# KiCad board FetsAndCrosses.kicad_pcb (continued)
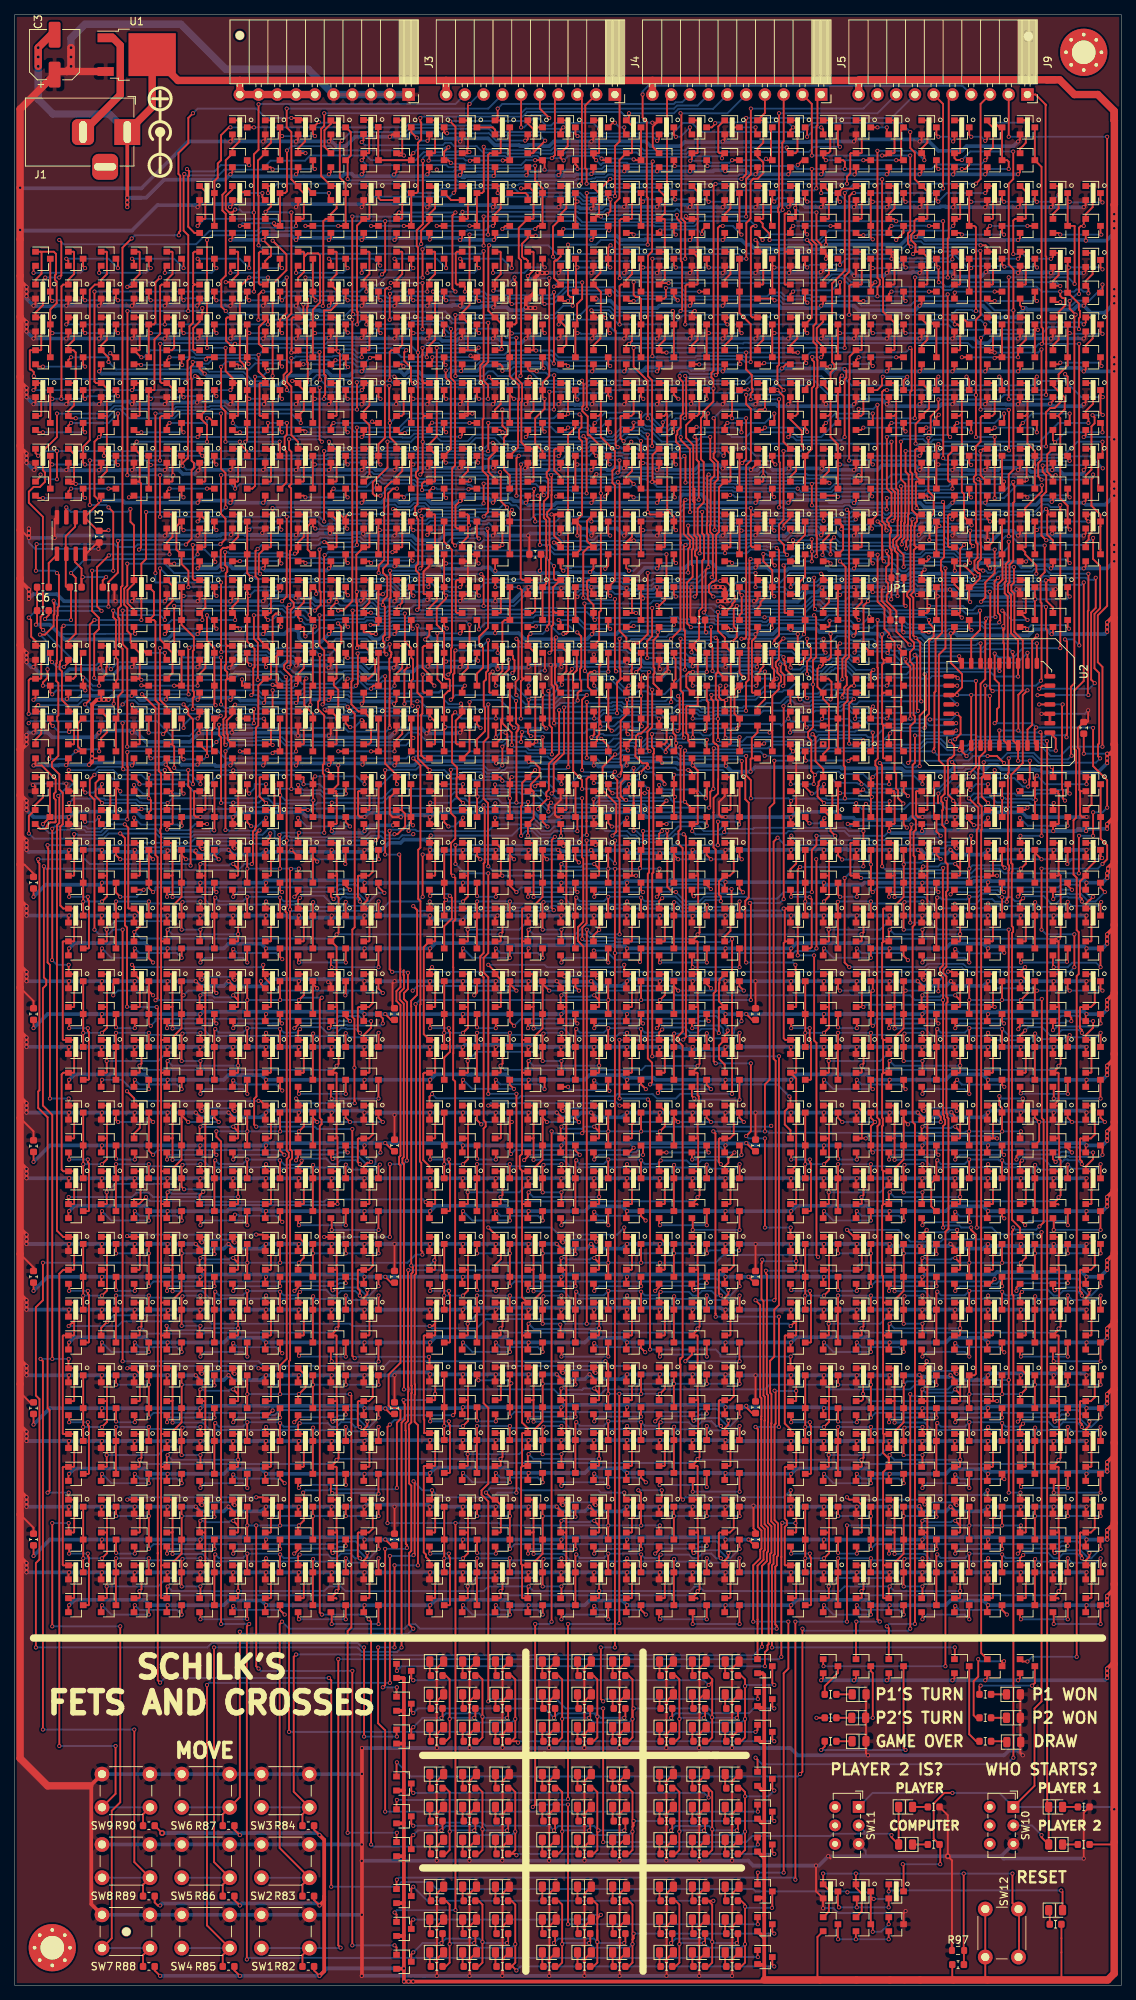
[diagram p0: board, top side]
## Routing (per net, layer and track width the routed paths; a pad name or vN(x,y) marks a point on that pad's centre or on a via; arc(x,y) is an arc through that point) (continued)
  Bottom w0.25: v1(80.59,223.61) 80.2,223.61 80.11,223.52 76.69,223.52 76.6,223.61 v1(76.22,223.61) ; v1(73.03,229.9) 73.59,230.47 v1(76.85,230.47)
/StateMaschine/sheet5F24372D/B: length 36.6
  Top w0.25: Q711.3 Q712.3 ; Q702.1 79.08,234.63 79.31,234.39 79.31,231.77 78.38,230.83 Q701.1 79.38,229.19 79.38,226.3 v1(80.01,225.67) ; Q714.3 98.16,223.9 v1(98.44,223.61) ; 93.71,223.79 93.89,223.61 v1(94,223.61)
  Bottom w0.25: v1(98.44,223.61) v1(94,223.61) 81.47,223.61 80.25,224.84 80.25,225.43 v1(80.01,225.67)
/StateMaschine/sheet5F24372E/B: length 102
  Top w0.25: Q656.3 Q655.3 138.16,224.14 138.24,224.06 v1(138.56,224.06) ; Q713.1 96.16,221.94 97.09,222.88 97.09,225.5 96.86,225.74 Q714.1 96.16,225.15 v1(96.52,224.79) ; 92.41,239.07 92.49,239.15 92.49,242.79 91.76,243.52 Q666.1 ; 92.41,239.07 92.49,239 92.49,234.71 92.41,234.63 Q696.1 91.76,234.63 92.49,233.9 92.49,230.26 92.41,230.19 Q695.1 91.01,230.19 90.84,230.01 90.84,225.21 90.81,225.18 v1(90.81,224.79) ; 92.41,239.07 Q665.1 91.01,239.07 90.89,239.19 v1(90.89,239.43) ; Q706.1 78.38,243.32 79.15,242.54 79.15,239.85 Q705.1 78.7,239.39 v1(79.38,239.39)
  Bottom w0.25: v1(138.56,224.06) 127.16,224.06 126.43,224.79 v1(96.52,224.79) v1(90.81,224.79) ; v1(79.38,239.39) 79.69,239.08 86.95,239.08 87.04,238.98 90.45,238.98 v1(90.89,239.43)
/UI.sch/UI_BoardLEDCELL_0/O: length 28
  Top w0.25: R2.2 57.94,36.35 v1(57.79,36.19) ; v1(66.67,36.19) 66.83,36.35 R8.2 ; R4.2 62.82,41.91 63.35,41.38 63.35,33.55 62.82,33.02 R6.2 ; v1(53.98,34.92) 53.7,34.65 Q1321.3
  Bottom w0.25: v1(66.67,36.19) 63.5,36.19 v1(63.35,36.35) 62.9,36.8 58.39,36.8 v1(57.79,36.19) 55.25,36.19 v1(53.98,34.92)
/UI.sch/UI_BoardLEDCELL_0/X: length 68.7
  Top w0.25: R5.2 62.38,36.35 v1(62.23,36.19) ; R7.2 67.27,41.91 67.79,41.38 v1(67.79,36.04) 67.79,33.55 67.27,33.02 R9.2 67.97,33.02 v1(68.16,32.83) ; R3.2 58.38,33.02 58.9,33.55 58.9,41.38 58.38,41.91 R1.2 ; v1(102.87,33.02) 102.6,33.29 Q1322.3
  Bottom w0.25: v1(58.9,36.04) 59.06,36.19 v1(62.23,36.19) 62.87,35.56 67.31,35.56 v1(67.79,36.04) ; v1(102.87,33.02) 68.35,33.02 v1(68.16,32.83)
/UI.sch/UI_BoardLEDCELL_1/O: length 44.7
  Top w0.25: v1(82.55,36.19) 82.7,36.35 R17.2 ; R15.2 78.38,33.02 78.9,33.55 78.9,41.38 78.38,41.91 R13.2 ; R11.2 73.18,36.35 v1(73.03,36.19) ; v1(53.98,36.83) 53.7,37.1 Q1323.3
  Bottom w0.25: 78.77,36.8 73.63,36.8 v1(73.03,36.19) 71.76,37.46 54.61,37.46 v1(53.98,36.83) ; 78.77,36.8 78.63,36.65 78.63,36.62 v1(78.9,36.35) ; 78.77,36.8 79.38,36.19 v1(82.55,36.19)
/UI.sch/UI_BoardLEDCELL_1/X: length 54.2
  Top w0.25: R16.2 83.14,41.91 83.67,41.38 v1(83.67,36.04) ; v1(83.67,36.04) 83.67,33.55 83.14,33.02 R18.2 ; v1(83.67,36.04) 83.67,37.31 v1(83.82,37.46) ; R12.2 73.62,33.02 74.14,33.55 74.14,41.38 73.62,41.91 R10.2 ; v1(77.79,36.19) 77.94,36.35 R14.2 ; Q1324.3 102.6,37.73 v1(102.87,37.46)
  Bottom w0.25: v1(74.14,36.04) 74.3,36.19 v1(77.79,36.19) 78.42,35.56 83.19,35.56 v1(83.67,36.04) ; v1(102.87,37.46) 100.08,37.46 99.44,36.83 94.62,36.83 93.98,37.46 v1(83.82,37.46)
/UI.sch/UI_BoardLEDCELL_2/O: length 64.8
  Top w0.25: v1(88.9,36.19) 89.05,36.35 R20.2 ; R24.2 93.94,33.02 94.46,33.55 94.46,41.38 ; v1(97.79,36.19) 97.94,36.35 R26.2 ; 94.46,41.38 93.94,41.91 R22.2 ; 94.46,41.38 94.46,41.12 v1(93.98,40.64) ; Q1325.3 53.7,41.54 v1(53.98,41.27)
  Bottom w0.25: v1(97.79,36.19) 94.49,36.19 v1(94.43,36.26) 93.89,36.8 89.5,36.8 v1(88.9,36.19) ; v1(53.98,41.27) 93.34,41.27 v1(93.98,40.64)
/UI.sch/UI_BoardLEDCELL_2/X: length 37.8
  Top w0.25: R25.2 98.38,41.91 98.91,41.38 v1(98.91,36.04) 98.91,33.55 98.38,33.02 R27.2 ; R23.2 93.5,36.35 v1(93.34,36.19) ; R19.2 89.49,41.91 90.02,41.38 90.02,33.55 89.49,33.02 R21.2 ; v1(102.87,40.64) 102.6,40.91 Q1326.3
  Bottom w0.25: v1(90.02,36.04) 90.17,36.19 v1(93.34,36.19) 93.98,35.56 98.42,35.56 v1(98.91,36.04) ; v1(98.91,40.48) 99.07,40.64 v1(102.87,40.64)
/UI.sch/UI_BoardLEDCELL_3/O: length 28.3
  Top w0.25: R35.2 66.83,21.11 v1(66.67,20.95) ; R33.2 62.82,17.78 63.35,18.31 63.35,26.14 62.82,26.67 R31.2 ; v1(57.79,20.95) 57.94,21.11 R29.2 ; Q1327.3 53.7,20.05 v1(53.98,20.32)
  Bottom w0.25: v1(66.67,20.95) 63.5,20.95 v1(63.35,21.11) 62.9,21.56 58.39,21.56 v1(57.79,20.95) 54.61,20.95 v1(53.98,20.32)
/UI.sch/UI_BoardLEDCELL_3/X: length 68.7
  Top w0.25: R28.2 58.38,26.67 58.9,26.14 58.9,18.31 58.38,17.78 R30.2 ; R32.2 62.38,21.11 v1(62.23,20.95) ; R34.2 67.27,26.67 67.79,26.14 v1(67.79,20.8) 67.79,18.31 67.27,17.78 R36.2 67.75,17.78 v1(67.95,17.59) ; Q1328.3 102.6,18.05 v1(102.87,17.78)
  Bottom w0.25: v1(58.9,20.8) 59.06,20.95 v1(62.23,20.95) 62.87,20.32 67.31,20.32 v1(67.79,20.8) ; v1(102.87,17.78) 68.14,17.78 v1(67.95,17.59)
/UI.sch/UI_BoardLEDCELL_4/O: length 44.2
  Top w0.25: R44.2 82.7,21.11 v1(82.55,20.95) ; R40.2 78.38,26.67 78.9,26.14 78.9,20.79 ; R38.2 73.18,21.11 v1(73.03,20.95) ; R42.2 78.38,17.78 78.9,18.31 78.9,20.79 ; Q1329.3 53.7,21.86 v1(53.98,21.59) ; 78.9,20.79 78.9,20.8 v1(79.06,20.95)
  Bottom w0.25: v1(53.98,21.59) 57.78,21.59 58.2,22.01 63.34,22.01 63.75,21.59 72.39,21.59 v1(73.03,20.95) 73.63,21.56 78.46,21.56 v1(79.06,20.95) v1(82.55,20.95)
/UI.sch/UI_BoardLEDCELL_4/X: length 53.1
  Top w0.25: R41.2 77.94,21.11 v1(77.79,20.95) ; R45.2 83.14,17.78 83.67,18.31 v1(83.67,20.8) 83.67,21.44 ; R43.2 83.14,26.67 83.67,26.14 83.67,21.44 ; R39.2 73.62,17.78 74.14,18.31 74.14,26.14 73.62,26.67 R37.2 ; v1(83.82,22.22) 83.82,21.59 83.67,21.44 ; Q1330.3 102.6,22.49 v1(102.87,22.22)
  Bottom w0.25: v1(74.14,20.8) 74.3,20.95 v1(77.79,20.95) 78.42,20.32 83.19,20.32 v1(83.67,20.8) ; v1(83.82,22.22) v1(102.87,22.22)
/UI.sch/UI_BoardLEDCELL_5/O: length 65.4
  Top w0.25: v1(97.79,20.95) 97.94,21.11 R53.2 ; R47.2 89.05,21.11 v1(88.9,20.95) ; R51.2 93.94,17.78 94.46,18.31 94.46,26.14 93.94,26.67 R49.2 93.98,26.19 v1(93.98,25.4) ; Q1331.3 53.7,26.3 v1(53.98,26.03)
  Bottom w0.25: v1(97.79,20.95) 94.62,20.95 v1(94.46,21.11) 94.01,21.56 89.5,21.56 v1(88.9,20.95) ; v1(53.98,26.03) 93.34,26.03 v1(93.98,25.4)
/UI.sch/UI_BoardLEDCELL_5/X: length 37.5
  Top w0.25: R50.2 93.5,21.11 v1(93.34,20.95) ; R54.2 98.38,17.78 98.91,18.31 v1(98.91,20.8) 98.91,24.61 ; R52.2 98.38,26.67 98.91,26.14 98.91,24.61 ; R46.2 89.49,26.67 90.02,26.14 90.02,18.31 89.49,17.78 R48.2 ; 98.91,24.61 98.91,24.92 ; Q1332.3 102.6,26.62 v1(102.87,26.35)
  Bottom w0.25: v1(98.91,20.8) 98.42,20.32 93.98,20.32 v1(93.34,20.95) 90.17,20.95 v1(90.02,20.8) ; v1(102.87,26.35) 102.08,25.56 v1(98.91,25.56)
/UI.sch/UI_BoardLEDCELL_6/O: length 28
  Top w0.25: R60.2 62.82,2.54 63.35,3.07 63.35,10.9 62.82,11.43 R58.2 ; R62.2 66.83,5.87 v1(66.67,5.71) ; R56.2 57.94,5.87 v1(57.79,5.71) ; v1(53.98,4.44) 53.7,4.18 Q1333.3
  Bottom w0.25: v1(66.67,5.71) 63.5,5.71 v1(63.35,5.87) 62.9,6.32 58.39,6.32 v1(57.79,5.71) 55.25,5.71 v1(53.98,4.44)
/UI.sch/UI_BoardLEDCELL_6/X: length 69
  Top w0.25: R55.2 58.38,11.43 58.9,10.9 58.9,3.07 58.38,2.54 R57.2 ; R59.2 62.38,5.87 v1(62.23,5.71) ; R61.2 67.27,11.43 67.79,10.9 v1(67.79,5.56) 67.79,3.07 67.27,2.54 R63.2 67.4,2.54 v1(67.95,2) ; Q1334.3 102.6,2.81 v1(102.87,2.54)
  Bottom w0.25: v1(58.9,5.56) 59.06,5.71 v1(62.23,5.71) 62.87,5.08 67.31,5.08 v1(67.79,5.56) ; v1(67.95,2) 68.49,2.54 v1(102.87,2.54)
/UI.sch/UI_BoardLEDCELL_7/O: length 52.7
  Top w0.25: R71.2 82.7,5.87 v1(82.55,5.71) ; v1(73.03,5.71) 73.18,5.87 R65.2 ; R69.2 78.38,2.54 78.9,3.07 78.9,10.9 78.38,11.43 R67.2 ; v1(79.38,9.52) 78.9,9.05 78.9,8.89 ; Q1335.3 53.7,8.62 v1(53.98,8.89) ; v1(78.9,5.87) 78.9,7.48
  Bottom w0.25: 79.06,5.71 v1(78.9,5.87) 78.46,6.32 73.63,6.32 v1(73.03,5.71) ; v1(82.55,5.71) 78.74,5.71 ; v1(79.38,9.52) 78.11,9.52 77.47,8.89 v1(53.98,8.89)
/UI.sch/UI_BoardLEDCELL_7/X: length 53.1
  Top w0.25: R72.2 83.14,2.54 83.67,3.07 v1(83.67,5.56) 83.67,6.2 ; R68.2 77.94,5.87 v1(77.79,5.71) ; R70.2 83.14,11.43 83.67,10.9 83.67,6.2 ; R64.2 73.62,11.43 74.14,10.9 74.14,3.07 73.62,2.54 R66.2 ; v1(83.82,6.98) 83.82,6.35 83.67,6.2 ; v1(102.87,6.98) 102.6,7.25 Q1336.3
  Bottom w0.25: v1(74.14,5.56) 74.3,5.71 v1(77.79,5.71) 78.42,5.08 83.19,5.08 v1(83.67,5.56) ; v1(102.87,6.98) v1(83.82,6.98)
/UI.sch/UI_BoardLEDCELL_8/O: length 66.2
  Top w0.25: v1(97.79,5.71) 97.94,5.87 R80.2 ; v1(88.9,5.71) 89.05,5.87 R74.2 ; R78.2 93.94,2.54 94.46,3.07 94.46,10.9 93.94,11.43 R76.2 v1(94.62,11.43) ; v1(53.98,13.33) 53.7,13.06 Q1337.3
  Bottom w0.25: v1(97.79,5.71) 94.62,5.71 v1(94.46,5.87) 94.01,6.32 89.5,6.32 v1(88.9,5.71) ; v1(53.98,13.33) 55.88,11.43 v1(94.62,11.43)
/UI.sch/UI_BoardLEDCELL_8/X: length 37.1
  Top w0.25: v1(93.34,5.71) 93.5,5.87 R77.2 ; R79.2 98.38,11.43 98.91,10.9 v1(98.91,5.56) 98.91,3.07 98.38,2.54 R81.2 ; R73.2 89.49,11.43 90.02,10.9 90.02,3.07 89.49,2.54 R75.2 ; Q1338.3 102.6,10.52 v1(102.55,10.48)
  Bottom w0.25: v1(90.02,5.56) 90.17,5.71 v1(93.34,5.71) 93.98,5.08 98.42,5.08 v1(98.91,5.56) ; v1(98.91,10.64) 99.07,10.48 v1(102.55,10.48)
/UI.sch/UI_Setup.sch/sheet6202921E/A: length 62.8
  Top w0.25: v1(113.92,15.11) 113.92,13.67 Q1392.1 113.94,13.19 114.71,12.41 114.71,9.98 Q1393.1 ; v1(128.52,15.11) 128.52,4.76 R97.2 128.55,4.66 C1.1 ; v1(135.13,15.11) 135.13,11.13 SW12.2 136.02,10.24 136.02,3.88 SW12.2 ; v1(109.47,15.11) 109.49,15.1 Q1391.1 110.27,12.87 110.27,9.98 Q1394.1
  Bottom w0.25: v1(135.13,15.11) v1(128.52,15.11) v1(113.92,15.11) v1(109.47,15.11)
Net-(C6-Pad1): length 4.7
  Top w0.25: C6.1 4.6,192.49 5.64,193.52
Net-(C8-Pad1): length 19.9
  Top w0.25: 8.18,198.67 8.18,197.4 6.91,196.13 6.91,189.35 7.03,189.23 R108.2 7.62,189.08 v1(7.62,184.78) ; v1(4.1,184.92) 4.1,184.95 4.6,185.45 C8.1
  Bottom w0.25: v1(7.62,184.78) 4.23,184.78 v1(4.1,184.92)
Net-(D1-Pad1): length 2
  Top w0.25: D1.1 56.21,42.06 R1.1
Net-(D2-Pad1): length 2
  Top w0.25: R2.1 56.36,37.62 56.21,37.77 D2.1
Net-(D3-Pad1): length 2
  Top w0.25: R3.1 56.21,33.17 D3.1
Net-(D4-Pad1): length 2
  Top w0.25: D4.1 60.66,42.06 R4.1
Net-(D5-Pad1): length 2
  Top w0.25: D5.1 60.66,37.61 R5.1
Net-(D6-Pad1): length 2
  Top w0.25: R6.1 60.66,33.17 D6.1
Net-(D7-Pad1): length 2
  Top w0.25: D7.1 65.1,42.06 R7.1
Net-(D8-Pad1): length 2
  Top w0.25: D8.1 65.1,37.61 R8.1
Net-(D9-Pad1): length 2
  Top w0.25: D9.1 65.1,33.17 R9.1
Net-(D10-Pad1): length 2
  Top w0.25: R10.1 71.45,42.06 D10.1
Net-(D11-Pad1): length 2
  Top w0.25: R11.1 71.6,37.62 71.45,37.77 D11.1
Net-(D12-Pad1): length 2
  Top w0.25: R12.1 71.45,33.17 D12.1
Net-(D13-Pad1): length 2
  Top w0.25: D13.1 76.22,42.06 R13.1
Net-(D14-Pad1): length 2
  Top w0.25: R14.1 76.22,37.61 D14.1
Net-(D15-Pad1): length 2
  Top w0.25: D15.1 76.22,33.17 R15.1
Net-(D16-Pad1): length 2
  Top w0.25: R16.1 80.98,42.06 D16.1
Net-(D17-Pad1): length 2
  Top w0.25: D17.1 80.98,37.61 R17.1
Net-(D18-Pad1): length 2
  Top w0.25: R18.1 80.98,33.17 D18.1
Net-(D19-Pad1): length 2
  Top w0.25: D19.1 87.33,42.06 R19.1
Net-(D20-Pad1): length 2
  Top w0.25: D20.1 87.33,37.77 87.48,37.62 R20.1
Net-(D21-Pad1): length 2
  Top w0.25: R21.1 87.33,33.17 D21.1
Net-(D22-Pad1): length 2
  Top w0.25: R22.1 91.77,42.06 D22.1
Net-(D23-Pad1): length 2
  Top w0.25: D23.1 91.77,37.61 R23.1
Net-(D24-Pad1): length 2
  Top w0.25: D24.1 91.77,33.17 R24.1
Net-(D25-Pad1): length 2
  Top w0.25: D25.1 96.22,42.06 R25.1
Net-(D26-Pad1): length 2
  Top w0.25: R26.1 96.22,37.61 D26.1
Net-(D27-Pad1): length 2
  Top w0.25: R27.1 96.22,33.17 D27.1
Net-(D28-Pad1): length 2
  Top w0.25: D28.1 56.21,26.82 R28.1
Net-(D29-Pad1): length 2
  Top w0.25: D29.1 56.21,22.53 56.36,22.38 R29.1
Net-(D30-Pad1): length 2
  Top w0.25: D30.1 56.21,17.93 R30.1
Net-(D31-Pad1): length 2
  Top w0.25: D31.1 60.66,26.82 R31.1
Net-(D32-Pad1): length 2
  Top w0.25: D32.1 60.66,22.38 R32.1
Net-(D33-Pad1): length 2
  Top w0.25: D33.1 60.66,17.93 R33.1
Net-(D34-Pad1): length 2
  Top w0.25: D34.1 65.1,26.82 R34.1
Net-(D35-Pad1): length 2
  Top w0.25: R35.1 65.1,22.38 D35.1
Net-(D36-Pad1): length 2
  Top w0.25: D36.1 65.1,17.93 R36.1
Net-(D37-Pad1): length 2
  Top w0.25: D37.1 71.45,26.82 R37.1
Net-(D38-Pad1): length 2
  Top w0.25: R38.1 71.6,22.38 71.45,22.53 D38.1
Net-(D39-Pad1): length 2
  Top w0.25: R39.1 71.45,17.93 D39.1
Net-(D40-Pad1): length 2
  Top w0.25: D40.1 76.22,26.82 R40.1
Net-(D41-Pad1): length 2
  Top w0.25: R41.1 76.22,22.38 D41.1
Net-(D42-Pad1): length 2
  Top w0.25: D42.1 76.22,17.93 R42.1
Net-(D43-Pad1): length 2
  Top w0.25: D43.1 80.98,26.82 R43.1
Net-(D44-Pad1): length 2
  Top w0.25: D44.1 80.98,22.38 R44.1
Net-(D45-Pad1): length 2
  Top w0.25: R45.1 80.98,17.93 D45.1
Net-(D46-Pad1): length 2
  Top w0.25: R46.1 87.33,26.82 D46.1
Net-(D47-Pad1): length 2
  Top w0.25: D47.1 87.33,22.53 87.48,22.38 R47.1
Net-(D48-Pad1): length 2
  Top w0.25: R48.1 87.33,17.93 D48.1
Net-(D49-Pad1): length 2
  Top w0.25: R49.1 91.77,26.82 D49.1
Net-(D50-Pad1): length 2
  Top w0.25: D50.1 91.77,22.38 R50.1
Net-(D51-Pad1): length 2
  Top w0.25: R51.1 91.77,17.93 D51.1
Net-(D52-Pad1): length 2
  Top w0.25: D52.1 96.22,26.82 R52.1
Net-(D53-Pad1): length 2
  Top w0.25: R53.1 96.22,22.38 D53.1
Net-(D54-Pad1): length 2
  Top w0.25: D54.1 96.22,17.93 R54.1
Net-(D55-Pad1): length 2
  Top w0.25: R55.1 56.21,11.58 D55.1
Net-(D56-Pad1): length 2
  Top w0.25: D56.1 56.21,7.29 56.36,7.14 R56.1
Net-(D57-Pad1): length 2
  Top w0.25: D57.1 56.21,2.69 R57.1
Net-(D58-Pad1): length 2
  Top w0.25: R58.1 60.66,11.58 D58.1
Net-(D59-Pad1): length 2
  Top w0.25: R59.1 60.66,7.13 D59.1
Net-(D60-Pad1): length 2
  Top w0.25: R60.1 60.66,2.69 D60.1
Net-(D61-Pad1): length 2
  Top w0.25: D61.1 65.1,11.58 R61.1
Net-(D62-Pad1): length 2
  Top w0.25: D62.1 65.1,7.13 R62.1
Net-(D63-Pad1): length 2
  Top w0.25: D63.1 65.1,2.69 R63.1
Net-(D64-Pad1): length 2
  Top w0.25: D64.1 71.45,11.58 R64.1
Net-(D65-Pad1): length 2
  Top w0.25: R65.1 71.6,7.14 71.45,7.29 D65.1
Net-(D66-Pad1): length 2
  Top w0.25: R66.1 71.45,2.69 D66.1
Net-(D67-Pad1): length 2
  Top w0.25: D67.1 76.22,11.58 R67.1
Net-(D68-Pad1): length 2
  Top w0.25: R68.1 76.22,7.13 D68.1
Net-(D69-Pad1): length 2
  Top w0.25: D69.1 76.22,2.69 R69.1
Net-(D70-Pad1): length 2
  Top w0.25: R70.1 80.98,11.58 D70.1
Net-(D71-Pad1): length 2
  Top w0.25: D71.1 80.98,7.13 R71.1
Net-(D72-Pad1): length 2
  Top w0.25: R72.1 80.98,2.69 D72.1
Net-(D73-Pad1): length 2
  Top w0.25: R73.1 87.33,11.58 D73.1
Net-(D74-Pad1): length 2
  Top w0.25: R74.1 87.48,7.14 87.33,7.29 D74.1
Net-(D75-Pad1): length 2
  Top w0.25: D75.1 87.33,2.69 R75.1
Net-(D76-Pad1): length 2
  Top w0.25: R76.1 91.77,11.58 D76.1
Net-(D77-Pad1): length 2
  Top w0.25: R77.1 91.77,7.13 D77.1
Net-(D78-Pad1): length 2
  Top w0.25: D78.1 91.77,2.69 R78.1
Net-(D79-Pad1): length 2
  Top w0.25: R79.1 96.22,11.58 D79.1
Net-(D80-Pad1): length 2
  Top w0.25: D80.1 96.22,7.13 R80.1
Net-(D81-Pad1): length 2
  Top w0.25: D81.1 96.22,2.69 R81.1
Net-(D82-Pad2): length 2.1
  Top w0.25: D82.2 R91.1
Net-(D83-Pad1): length 2.1
  Top w0.25: D83.1 R92.1
Net-(D84-Pad2): length 2.1
  Top w0.25: D84.2 R93.1
Net-(D85-Pad1): length 2.1
  Top w0.25: D85.1 R94.1
Net-(D86-Pad1): length 2.2
  Top w0.25: D86.1 140.18,10.01 R96.1 140.03,8.4
Net-(D89-Pad1): length 2.1
  Top w0.25: R99.1 D89.1
Net-(D92-Pad1): length 2.1
  Top w0.25: R102.1 D92.1
Net-(D93-Pad1): length 2.1
  Top w0.25: R103.1 D93.1
Net-(D94-Pad1): length 1.8
  Top w0.25: R104.1 133.98,33.02
Net-(D95-Pad1): length 2.1
  Top w0.25: D95.1 R105.1
Net-(D96-Pad1): length 2.1
  Top w0.25: R106.1 D96.1
Net-(J1-Pad2): length 16.2
  Top w1: J1.2 14.29,255.87 14.29,262.57 13.28,263.58 U1.1
Net-(Q7-Pad2): length 9.1
  Top w0.25: v1(11.81,86.99) 11.7,86.88 Q7.2 ; Q8.3 18.16,86.98 v1(18.16,85.72)
  Bottom w0.25: v1(11.81,86.99) 13.08,85.72 v1(18.16,85.72)
Net-(Q8-Pad2): length 9.1
  Top w0.25: v1(16.26,86.99) 16.14,86.88 Q8.2 ; Q9.3 22.61,86.98 v1(22.61,85.72)
  Bottom w0.25: v1(16.26,86.99) 16.89,86.36 21.97,86.36 v1(22.61,85.72)
Net-(Q12-Pad2): length 8.9
  Top w0.25: v1(35.94,94.61) 35.92,94.63 Q13.3 ; 29.48,94.93 29.59,94.82 v1(29.59,93.98)
  Bottom w0.25: v1(35.94,94.61) 30.23,94.61 v1(29.59,93.98)
Net-(Q17-Pad2): length 9.8
  Top w0.25: v1(31.5,85.09) 31.48,85.11 Q18.3 ; Q17.2 25.15,85.93 v1(25.15,85.09)
  Bottom w0.25: v1(31.5,85.09) 30.86,85.72 25.78,85.72 v1(25.15,85.09)
Net-(Q18-Pad2): length 9.9
  Top w0.25: 29.59,85.93 Q18.2 29.48,86.79 v1(29.59,86.9) ; Q19.3 35.92,85.84 v1(36.23,85.54)
  Bottom w0.25: v1(36.23,85.54) 35.41,86.36 30.14,86.36 v1(29.59,86.9)
Net-(Q23-Pad2): length 9.2
  Top w0.25: Q24.3 44.83,86.98 v1(44.83,85.09) ; v1(38.49,85.2) 38.37,85.32 Q23.2
  Bottom w0.25: v1(44.83,85.09) 38.6,85.09 v1(38.49,85.2)
Net-(Q24-Pad2): length 10.7
  Top w0.25: v1(42.92,84.46) 42.81,84.57 Q24.2 ; Q25.3 49.26,84.44 v1(49.28,84.42)
  Bottom w0.25: v1(49.28,84.42) 49.13,84.27 43.11,84.27 v1(42.92,84.46)
Net-(Q29-Pad2): length 9.4
  Top w0.25: Q30.3 44.81,95.04 v1(44.82,95.03) ; 38.37,94.93 38.37,94.47 v1(37.88,93.98)
  Bottom w0.25: v1(44.82,95.03) 43.97,95.03 43.6,94.66 38.56,94.66 v1(37.88,93.98)
Net-(Q30-Pad2): length 9.6
  Top w0.25: Q31.3 49.26,94.63 v1(49.28,94.61) ; v1(43.06,94.06) 43.04,94.06 42.81,94.28 42.81,94.93
  Bottom w0.25: v1(43.06,94.06) 43.64,94.06 44.01,94.43 46.54,94.43 47.62,93.34 48.01,93.34 v1(49.28,94.61)
Net-(Q34-Pad2): length 9.2
  Top w0.25: Q35.3 27.05,95.87 v1(27.05,94.61) ; 20.59,94.93 20.59,94.02 v1(20.62,93.98)
  Bottom w0.25: v1(27.05,94.61) 20.87,94.61 20.62,94.37 v1(20.62,93.98)
Net-(Q37-Pad3): length 5.4
  Top w0.25: 16.16,94.93 16.26,94.84 v1(16.26,93.98) ; Q37.3 v1(13.72,94.1)
  Bottom w0.25: v1(13.72,94.1) 13.83,93.98 v1(16.26,93.98)
Net-(Q40-Pad2): length 11.3
  Top w0.25: 7.27,94.93 7.37,94.84 v1(7.37,93.98) ; Q41.3 9.97,86.99 10.05,87.07 10.05,93.44 9.9,93.59 v1(9.9,93.98)
  Bottom w0.25: v1(7.37,93.98) v1(9.9,93.98)
Net-(Q44-Pad2): length 5.4
  Top w0.25: 65.06,94.93 65.15,94.84 v1(65.15,93.98) ; Q45.3 v1(62.61,94.1)
  Bottom w0.25: v1(62.61,94.1) 62.73,93.98 v1(65.15,93.98)
Net-(Q49-Pad2): length 9.1
  Top w0.25: v1(60.71,86.99) 60.59,86.88 Q49.2 ; Q50.3 67.06,86.98 v1(67.06,85.72)
  Bottom w0.25: v1(60.71,86.99) 61.98,85.72 v1(67.06,85.72)
Net-(Q50-Pad2): length 9.1
  Top w0.25: v1(65.15,86.99) 65.04,86.88 Q50.2 ; Q51.3 71.5,86.98 v1(71.5,85.72)
  Bottom w0.25: v1(65.15,86.99) 65.79,86.36 70.87,86.36 v1(71.5,85.72)
Net-(Q54-Pad2): length 8.9
  Top w0.25: v1(84.84,94.61) 84.82,94.63 Q55.3 ; 78.38,94.93 78.49,94.82 v1(78.49,93.98)
  Bottom w0.25: v1(84.84,94.61) 79.12,94.61 v1(78.49,93.98)
Net-(Q59-Pad2): length 9.3
  Top w0.25: Q59.2 74.04,85.93 v1(74.04,85.09) ; Q60.3 80.38,85.12 v1(80.4,85.1)
  Bottom w0.25: v1(74.04,85.09) 80.39,85.09 v1(80.4,85.1)
Net-(Q60-Pad2): length 10
  Top w0.25: 78.49,85.93 Q60.2 78.38,86.79 v1(78.49,86.9) ; Q61.3 84.82,86.25 v1(85.39,85.68)
  Bottom w0.25: v1(85.39,85.68) 84.71,86.36 79.03,86.36 v1(78.49,86.9)
Net-(Q65-Pad2): length 9.5
  Top w0.25: Q65.2 87.27,85.2 v1(87.38,85.09) ; Q66.3 93.73,86.98 v1(93.73,85.09)
  Bottom w0.25: v1(87.38,85.09) 87.65,85.36 93.45,85.36 v1(93.73,85.09)
Net-(Q66-Pad2): length 12
  Top w0.25: Q67.3 98.16,84.47 v1(98.17,84.45) ; 91.82,85.93 Q66.2 91.71,85.35 90.82,84.46
  Bottom w0.25: 90.82,84.46 v1(90.83,84.45) v1(98.17,84.45)
Net-(Q71-Pad2): length 9.4
  Top w0.25: 87.27,94.93 87.27,94.5 v1(86.74,93.98) ; Q72.3 93.71,95.04 v1(93.72,95.03)
  Bottom w0.25: v1(86.74,93.98) 87.42,94.66 92.5,94.66 92.72,94.88 93.57,94.88 v1(93.72,95.03)
Net-(Q72-Pad2): length 9.6
  Top w0.25: Q73.3 98.16,94.63 v1(98.17,94.61) ; v1(91.96,94.06) 91.94,94.06 91.71,94.28 91.71,94.93
  Bottom w0.25: v1(91.96,94.06) 92.53,94.06 92.9,94.43 95.43,94.43 96.52,93.34 96.9,93.34 v1(98.17,94.61)
Net-(Q76-Pad2): length 9.2
  Top w0.25: Q77.3 75.95,95.87 v1(75.95,94.61) ; 69.48,94.93 69.48,94.02 v1(69.52,93.98)
  Bottom w0.25: v1(75.95,94.61) 69.76,94.61 69.52,94.37 v1(69.52,93.98)
Net-(Q80-Pad2): length 11.3
  Top w0.25: 56.17,94.93 56.26,94.84 v1(56.26,93.98) ; Q81.3 58.87,86.99 58.94,87.07 58.94,93.44 58.79,93.59 v1(58.79,93.98)
  Bottom w0.25: v1(56.26,93.98) v1(58.79,93.98)
Net-(Q84-Pad2): length 5.4
  Top w0.25: 113.95,94.93 114.05,94.84 v1(114.05,93.98) ; Q85.3 v1(111.51,94.1)
  Bottom w0.25: v1(111.51,94.1) 111.62,93.98 v1(114.05,93.98)
Net-(Q91-Pad2): length 9.1
  Top w0.25: v1(109.6,86.99) 109.49,86.88 Q91.2 ; Q92.3 115.95,86.98 v1(115.95,85.72)
  Bottom w0.25: v1(109.6,86.99) 110.87,85.72 v1(115.95,85.72)
Net-(Q92-Pad2): length 9.1
  Top w0.25: v1(114.05,86.99) 113.94,86.88 Q92.2 ; Q93.3 120.4,86.98 v1(120.4,85.72)
  Bottom w0.25: v1(114.05,86.99) 114.68,86.36 119.76,86.36 v1(120.4,85.72)
Net-(Q96-Pad2): length 9
  Top w0.25: v1(133.73,94.61) 133.72,94.63 Q97.3 ; 127.27,94.93 127.38,94.82 v1(127.38,93.98)
  Bottom w0.25: v1(127.38,93.98) 128.02,94.61 132.14,94.61 132.24,94.52 133.24,94.52 133.34,94.61 v1(133.73,94.61)
Net-(Q101-Pad2): length 9.8
  Top w0.25: v1(129.29,85.09) 129.27,85.11 Q102.3 ; Q101.2 122.94,85.93 v1(122.94,85.09)
  Bottom w0.25: v1(129.29,85.09) 128.65,85.72 123.57,85.72 v1(122.94,85.09)
Net-(Q102-Pad2): length 9.7
  Top w0.25: 127.38,85.93 Q102.2 127.27,86.79 v1(127.38,86.9) ; v1(134.02,85.66) 133.72,85.97 Q103.3
  Bottom w0.25: v1(127.38,86.9) 127.93,86.36 133.32,86.36 v1(134.02,85.66)
Net-(Q107-Pad2): length 9.3
  Top w0.25: Q107.2 136.16,85.2 v1(136.27,85.09) ; Q108.3 142.62,86.98 v1(142.62,85.09)
  Bottom w0.25: v1(136.27,85.09) v1(142.62,85.09)
Net-(Q108-Pad2): length 10.5
  Top w0.25: Q109.3 147.05,84.47 v1(147.07,84.45) ; Q108.2 140.6,84.57 v1(140.71,84.46)
  Bottom w0.25: v1(147.07,84.45) 140.72,84.45 v1(140.71,84.46)
Net-(Q113-Pad2): length 9.4
  Top w0.25: Q114.3 142.6,95.04 v1(142.61,95.03) ; v1(135.67,93.98) 135.67,94.45 136.16,94.93
  Bottom w0.25: v1(142.61,95.03) 136.72,95.03 v1(135.67,93.98)
Net-(Q114-Pad2): length 9.6
  Top w0.25: Q115.3 147.05,94.63 v1(147.07,94.61) ; v1(140.85,94.06) 140.83,94.06 140.6,94.28 140.6,94.93
  Bottom w0.25: v1(140.85,94.06) 141.43,94.06 141.8,94.43 144.33,94.43 145.41,93.34 145.8,93.34 v1(147.07,94.61)
Net-(Q118-Pad2): length 9.2
  Top w0.25: Q119.3 124.84,95.87 v1(124.84,94.61) ; 118.38,94.93 118.38,94.02 v1(118.41,93.98)
  Bottom w0.25: v1(124.84,94.61) 118.66,94.61 118.41,94.37 v1(118.41,93.98)
Net-(Q121-Pad3): length 11.2
  Top w0.25: Q121.3 107.76,86.99 107.84,87.07 107.84,93.44 107.69,93.59 v1(107.69,93.98) ; 105.06,94.93 105.06,94.2 v1(105.17,94.09)
  Bottom w0.25: v1(107.69,93.98) 105.28,93.98 v1(105.17,94.09)
Net-(Q124-Pad2): length 5.4
  Top w0.25: 16.16,77.15 16.26,77.06 v1(16.26,76.2) ; Q125.3 v1(13.72,76.32)
  Bottom w0.25: v1(13.72,76.32) 13.83,76.2 v1(16.26,76.2)
Net-(Q128-Pad2): length 11.3
  Top w0.25: 7.27,77.15 7.37,77.06 v1(7.37,76.2) ; Q129.3 9.97,69.21 10.05,69.29 10.05,75.66 9.9,75.81 v1(9.9,76.2)
  Bottom w0.25: v1(7.37,76.2) v1(9.9,76.2)
Net-(Q133-Pad2): length 9.1
  Top w0.25: v1(11.81,69.21) 11.7,69.1 Q133.2 ; Q134.3 18.16,69.2 v1(18.16,67.94)
  Bottom w0.25: v1(11.81,69.21) 13.08,67.94 v1(18.16,67.94)
Net-(Q134-Pad2): length 9.1
  Top w0.25: v1(16.26,69.21) 16.14,69.1 Q134.2 ; Q135.3 22.61,69.2 v1(22.61,67.94)
  Bottom w0.25: v1(16.26,69.21) 16.89,68.58 21.97,68.58 v1(22.61,67.94)
Net-(Q138-Pad2): length 9
  Top w0.25: v1(35.94,76.83) 35.92,76.85 Q139.3 ; 29.48,77.15 29.59,77.04 v1(29.59,76.2)
  Bottom w0.25: v1(29.59,76.2) 30.23,76.83 34.35,76.83 34.45,76.74 35.45,76.74 35.55,76.83 v1(35.94,76.83)
Net-(Q143-Pad2): length 9.8
  Top w0.25: v1(31.5,67.31) 31.48,67.33 Q144.3 ; Q143.2 25.15,68.15 v1(25.15,67.31)
  Bottom w0.25: v1(31.5,67.31) 30.86,67.94 25.78,67.94 v1(25.15,67.31)
Net-(Q144-Pad2): length 10
  Top w0.25: 29.59,68.15 Q144.2 29.48,69.01 v1(29.59,69.12) ; Q145.3 35.92,68.56 36.55,67.94 v1(36.55,67.94)
  Bottom w0.25: v1(36.55,67.94) 35.91,68.58 30.14,68.58 v1(29.59,69.12)
Net-(Q149-Pad2): length 9
  Top w0.25: Q149.2 38.37,67.42 v1(38.48,67.31) ; v1(44.83,67.73) 44.81,67.74 Q150.3
  Bottom w0.25: v1(44.83,67.73) 38.9,67.73 v1(38.48,67.31)
Net-(Q150-Pad2): length 10.7
  Top w0.25: Q150.2 42.81,66.8 v1(43.01,66.61) ; Q151.3 49.26,66.54 v1(49.28,66.52)
  Bottom w0.25: v1(43.01,66.61) 49.19,66.61 v1(49.28,66.52)
Net-(Q155-Pad2): length 9.4
  Top w0.25: 38.37,77.15 38.37,76.72 v1(37.85,76.2) ; Q156.3 44.81,77.26 v1(44.82,77.25)
  Bottom w0.25: v1(37.85,76.2) 38.52,76.88 43.6,76.88 43.82,77.1 44.67,77.1 v1(44.82,77.25)
Net-(Q156-Pad2): length 9.6
  Top w0.25: Q157.3 49.26,76.85 v1(49.28,76.83) ; v1(43.06,76.28) 43.04,76.28 42.81,76.5 42.81,77.15
  Bottom w0.25: v1(43.06,76.28) 43.64,76.28 44.01,76.65 46.54,76.65 47.62,75.56 48.01,75.56 v1(49.28,76.83)
Net-(Q160-Pad2): length 9.2
  Top w0.25: Q161.3 27.05,78.09 v1(27.05,76.83) ; 20.59,77.15 20.59,76.24 v1(20.62,76.2)
  Bottom w0.25: v1(27.05,76.83) 20.87,76.83 20.62,76.59 v1(20.62,76.2)
Net-(Q164-Pad2): length 5.4
  Top w0.25: Q164.2 65.15,77.18 v1(65.15,76.32) ; Q165.3 v1(62.61,76.44)
  Bottom w0.25: v1(62.61,76.44) 62.73,76.32 v1(65.15,76.32)
Net-(Q168-Pad2): length 11.3
  Top w0.25: Q168.2 56.26,77.18 v1(56.26,76.32) ; Q169.3 58.87,69.34 58.94,69.42 58.94,75.79 58.79,75.94 v1(58.79,76.32)
  Bottom w0.25: v1(56.26,76.32) v1(58.79,76.32)
Net-(Q172-Pad2): length 5.4
  Top w0.25: 113.95,77.15 114.05,77.06 v1(114.05,76.2) ; Q205.3 v1(111.51,76.32)
  Bottom w0.25: v1(111.51,76.32) 111.62,76.2 v1(114.05,76.2)
